# Allegro board 038RT-9068CJK8E-A100_0921_1.brd (continued)
## Routing (per net, layer and track width the routed paths; a pad name or vN(x,y) marks a point on that pad's centre or on a via; arc(x,y) is an arc through that point) (continued)
SLOT1.CH108: length 94.9
  L21_SIGNAL w0.102: 395.56,198.31 395.56,204.04 396.54,205.02 400.1,205.02 v1(400.5,204.62)
  L21_SIGNAL w0.105: 395.56,198.31 395.56,176.03 404.21,167.39 404.21,128.66 407.03,125.84 SLOT1-DOWN.E17
SLOT1.CH109: length 107.7
  L21_SIGNAL w0.105: SLOT1-DOWN.D16 416.95,121.84 423.59,121.84 425.61,123.86 425.61,126.82 427.57,128.78 427.57,162.55 427.89,162.86 427.89,209.23 428.33,209.68 428.99,209.68 433.56,214.25 433.56,215.7 v2(434.72,216.86)
SLOT1.CH110: length 105.5
  L21_SIGNAL w0.102: 395.18,193.89 391.13,197.94 391.13,203.44 392.68,204.99 394.93,204.99 395.76,205.82 403.3,205.82 v1(403.7,205.42)
  L21_SIGNAL w0.105: 395.18,193.89 395.18,175.28 403.4,167.06 403.4,126.65 407.22,122.84 SLOT1-DOWN.F16
SLOT1.CH111: length 110
  L21_SIGNAL w0.102: v1(403.7,206.22) 403.3,206.62 392.61,206.62 390.69,204.7 390.69,197.45 393.89,194.25
  L21_SIGNAL w0.105: SLOT1-DOWN.E15 407.09,121.84 402.6,126.32 402.6,166.72 393.89,175.44 393.89,194.25
SLOT1.CH112: length 99.1
  L21_SIGNAL w0.105: SLOT1-DOWN.D14 417.12,119.55 424.93,119.55 429.45,124.07 429.45,153.82 431.38,155.75 431.38,205.74 v1(430.59,206.53)
SLOT1.CH113: length 118.8
  L21_SIGNAL w0.102: v1(403.7,207.02) 403.3,207.42 392.07,207.42 389.1,204.44 389.1,198.62 384.37,193.89 384.37,182.11 401.8,164.68
  L21_SIGNAL w0.105: 401.8,164.68 401.8,122.08 405.04,118.84 SLOT1-DOWN.F14
SLOT1.CH115: length 135
  L21_SIGNAL w0.105: v1(438.98,226.73) 438.01,225.76 438.01,210.18 440.29,207.89 440.29,202.78 443.18,199.89 443.18,188.84 439.14,184.8 439.14,159.69 432.56,153.11 432.56,116.92 430.08,114.43 426.27,114.43 425.5,113.66 417.13,113.66 SLOT1-DOWN.D12
  BOTTOM w0.115: v1(438.98,226.73) UNK1RR535.2
SLOT1.CH116: length 138.3
  L21_SIGNAL w0.102: 405.3,213.84 v1(405.3,213.42)
  L21_SIGNAL w0.105: 405.3,213.84 405.3,213.86 404.81,214.35 385.57,214.35 382.69,211.47 382.69,183.77 382.01,183.1 382.01,181.57 400.63,162.95 400.63,120.11 405.9,114.84 SLOT1-DOWN.F12
  BOTTOM w0.115: UNK1R110.1 v1(405.3,213.42)
SLOT1.CH117: length 132.1
  L21_SIGNAL w0.105: SLOT1-DOWN.E11 405.97,113.84 400.06,119.75 400.06,161.99 373.11,188.94 373.11,197.99 375.27,200.15 375.27,215.26 373.62,216.92 373.62,220.96 371.95,222.63
SLOT1.CH118: length 375
  L34_SIGNAL w0.105: SLOT1-DOWN.D10 417.07,109.73 425.43,109.73 433.31,101.84 437.34,101.84 438.25,102.76 438.87,102.76 439.98,101.65 447.87,101.65 455.36,109.14 455.36,158.92 471.66,175.23 471.66,181.99 478.52,188.85 478.52,287.65 472.17,294 350.28,294 v1(343.73,287.46)
SLOT1.CH119: length 315.4
  L32_SIGNAL w0.105: v1(343.73,227.46) 348.43,232.16 467.98,232.16 471.66,228.47 471.66,219.2 471.03,218.57 471.03,196.34 470.14,195.45 470.14,189.98 455.94,175.79 455.94,107.72 447.91,99.69 440.49,99.69 439.73,98.93 437.98,98.93 437,99.92 425.59,99.92 423.4,102.11 423.4,108.71 422.39,109.73 415.53,109.73 414.42,110.84 SLOT1-DOWN.F10
SLOT1.CH120: length 353.7
  L34_SIGNAL w0.105: SLOT1-DOWN.E9 407.04,109.84 399.78,117.09 399.78,141.22 388.35,152.65 289.8,152.65 273.8,168.66 228.33,168.66 212.33,184.66 212.33,212.22 217.28,217.17 217.28,281 v1(223.73,287.46)
SLOT1.CH121: length 299.9
  L32_SIGNAL w0.105: SLOT1-DOWN.F8 398,120.52 398,143.35 379.05,162.31 221.98,162.31 212.33,171.96 212.33,216.05 v1(223.73,227.46)
SLOT1.CH122: length 136.2
  L21_SIGNAL w0.105: SLOT1-DOWN.E7 411.14,105.84 410.54,105.23 406.55,105.23 399.5,112.28 399.5,160.66 369.05,191.11 369.05,204.47 371.95,207.38 UNK1K11.3
SLOT1.CH123: length 145.5
  L21_SIGNAL w0.105: SLOT1-DOWN.F6 409.89,104.64 406.3,104.64 398.9,112.03 398.9,160.17 366.38,192.7 366.38,211.45 370.7,215.77 370.7,223.92 UNK1K223.3
SLOT1.CH124: length 350.6
  L44_SIGNAL w0.105: K7.10 149.34,24.72 149.34,55.37 157.34,63.37 406.87,63.37 424.35,80.85 424.35,99.89 422.4,101.84 SLOT1-DOWN.E5
SLOT1.CH125: length 157.9
  L21_SIGNAL w0.105: v1(343.73,206.2) 343.14,205.6 343.14,177.26 348.87,171.53 384.67,171.53 397.76,158.44 397.76,111.21 407.72,101.24 409.28,101.24 SLOT1-DOWN.F4
SLOT1.CH126: length 429.6
  L44_SIGNAL w0.105: SLOT1-DOWN.E3 410.72,97.84 408.31,100.25 408.31,155.79 391.43,172.67 202.98,172.67 181.72,193.93 137.02,193.93 135.11,195.83 135.11,222.63 133.46,224.28 133.46,240.54 131.68,242.32 107.81,242.32 106.54,241.05 106.54,238.75 v2(105.9,238.11)
  BOTTOM w0.115: UNK2R348.2 v2(105.9,238.11)
SLOT1.CH127: length 616.8
  L44_SIGNAL w0.105: SLOT1-DOWN.F2 406.13,100.39 406.13,154.36 393.35,167.14 297.64,167.14 296.93,167.85 296.93,169.7 297.34,170.11 390.78,170.11 391.28,170.61 391.28,171.35 390.6,172.03 202.9,172.03 181.51,193.42 136.81,193.42 134.6,195.62 134.6,222.42 132.95,224.07 132.95,240.33 131.47,241.81 108.44,241.81 107.81,241.17 107.81,238.75 v2(107.17,238.11)
  BOTTOM w0.115: UNK2R347.2 v2(107.17,238.11)
SLOT1.DGS0: length 0.5
  TOP w0.254: SLOT1-DOWN.B26 420.18,142.62 UNK1STB00.1
SLOT1.DGS64: length 0.5
  TOP w0.254: SLOT1-UP.B5 420.18,334.55 UNK1STB64.1
SLOT1.UB0: length 1165.4
  L24_RLY w0.203: SLOT1-DOWN.A1 422.18,90.37 427.47,85.09 516.98,85.09 543.42,111.52 543.42,168.28 535.8,175.89 535.8,193.04 537.38,194.62 UNK1K228.8 535.67,196.65 535.67,216.41 538.72,219.46 538.72,226.82 535.92,229.62 535.92,233.8 UNK3K228.8 ; K228.8 151.88,238.53 151.88,242.65 154.62,245.39 154.62,269.72 156.19,271.29 156.19,278.88 157.21,279.91 164.05,279.91 UNK2K228.8
  L38_SIGNAL w0.203: UNK3K228.8 538.7,233.93 550.4,233.93 551.16,233.17 551.16,230.38 552.94,228.6 553.96,228.6 558.53,224.03 569.71,224.03 571.74,222 571.74,176.17 568.93,173.35 532.62,173.35 515.68,156.41 515.68,86.56 506.34,77.22 188.86,77.22 174.62,91.46 174.62,156.71 158.13,173.19 127.44,173.19 120.33,180.31 120.33,234.31 123.1,237.08 123.1,242.04 124.09,243.03 124.09,251.1 125.71,252.73 140.7,252.73 145.78,257.81 145.78,267.46 147.56,269.24 162.85,269.24 163.05,269.44 163.05,278.91 UNK2K228.8
SLOT1.UB1: length 1223.5
  L24_RLY w0.203: UNK1K124.8 528.46,223.89 528.46,245.8 528.81,246.15 528.81,271.92 UNK3K124.8 ; K124.8 163.26,226.28 163.26,273.29 UNK2K124.8
  L36_SIGNAL w0.203: SLOT1-DOWN.B2 421.28,93.52 421.28,91.23 414.24,84.2 381.99,84.2 373.82,92.37 373.82,147.31 369.74,151.39 317.21,151.39 314.24,148.43 314.24,82.94 304.93,73.63 195.46,73.63 179.52,89.57 179.52,145.41 174.48,150.45 174.48,205.74 165.2,215.03 165.2,223.3 K124.8
  L38_SIGNAL w0.203: UNK3K124.8 525.06,277.62 525.06,293.16 521.31,296.91 521.31,376.96 495.05,403.23 185.91,403.23 175.12,392.43 175.12,303.91 162.04,290.83 162.04,277.68 UNK2K124.8
SLOT1.UB2: length 1150.7
  L24_RLY w0.203: UNK3K227.8 551.42,234.05 551.42,212.6 552.18,211.84 552.18,204.98 549.13,201.93 546.59,201.93 544.69,200.03 544.69,193.04 541.51,189.87 538.66,189.87 UNK1K227.8 538.97,186.99 538.97,175.89 544.69,170.18 544.69,111 517.51,83.82 425.69,83.82 418.18,91.33 SLOT1-DOWN.C1 ; K227.8 137.98,237.23 139,238.25 139,240.97 145.06,247.03 145.06,273.81 151.71,280.46 UNK2K227.8
  L38_SIGNAL w0.203: UNK2K227.8 150.21,282.81 145.02,277.62 145.02,258.06 140.95,254 124.95,254 122.18,251.23 122.18,242.82 120.48,241.12 120.48,235.84 119.44,234.8 119.44,179.94 127.07,172.3 157.75,172.3 173.83,156.22 173.83,91.13 188.54,76.43 507.46,76.43 516.95,85.92 516.95,156.41 532.62,172.08 569.45,172.08 572.5,175.13 572.5,228.35 570.06,230.78 555.08,230.78 554.21,231.65 554.21,233.66 UNK3K227.8
SLOT1.UB3: length 1216.4
  L24_RLY w0.203: UNK1K232.8 512.23,230.57 512.23,236.63 514.89,239.29 514.89,258.83 516.09,260.02 516.09,270.84 UNK3K232.8 ; UNK2K232.8 174.99,262.46 174.99,240.11 175.5,239.6 176.18,239.6 176.39,239.4 176.39,220.04 176.87,219.56 K232.8
  L36_SIGNAL w0.203: K232.8 180.16,217.9 180.16,208.24 176.39,204.47 176.39,151.47 181.81,146.05 181.81,89.83 196.66,74.97 304.38,74.97 312.9,83.5 312.9,148.98 316.65,152.73 370.3,152.73 375.16,147.86 375.16,92.92 382.54,85.54 414.01,85.54 419.23,90.76 419.23,95.57 SLOT1-DOWN.C3
  L38_SIGNAL w0.203: UNK2K232.8 174.97,264.92 167.88,264.92 165.85,266.95 165.85,278.13 168.13,280.42 168.13,294.64 176.39,302.89 176.39,391.79 186.55,401.96 494.13,401.96 519.68,376.41 519.68,281.36 515.62,277.31 515.62,274.49 UNK3K232.8
SLOT1.UB4: length 473.5
  L24_RLY w0.203: UNK1K34.8 429.28,213.01 430.39,214.12 430.39,220.57 430.72,220.9 430.72,258.09 429.96,258.85 429.96,270.95 UNK3K34.8 ; K34.8 309.28,211.64 308.11,212.8 308.11,270.47 UNK2K34.8
  L36_SIGNAL w0.203: K34.8 309.79,211.12 309.79,197.98 310.3,197.47 310.3,180.3 319.82,170.79 365.82,170.79 395.64,140.97 395.64,95.46 401.94,89.15 414,89.15 416.18,91.33 SLOT1-DOWN.D1
  L38_SIGNAL w0.203: UNK3K34.8 425.47,275.44 417.36,275.44 411.51,281.28 405.34,281.28 398.13,288.49 380.81,288.49 375.96,293.34 355.24,293.34 351.4,289.5 313.61,289.5 307.81,283.69 307.81,273.1 UNK2K34.8
SLOT1.UB5: length 1211.4
  L24_RLY w0.203: UNK1K233.8 511.49,225.1 511.49,237.77 513.67,239.95 513.67,258.55 515.27,260.15 515.27,265.44 UNK3K233.8 ; UNK2K233.8 177.28,268.82 177.28,259.66 176.97,259.36 176.21,259.36 176.01,259.16 176.01,255.63 177.56,254.08 177.56,240.11 177.12,239.67 177.12,225.96 177.32,225.76 K233.8
  L36_SIGNAL w0.203: SLOT1-DOWN.D2 417.26,93.54 417.26,90.21 414.45,87.4 383.32,87.4 377.02,93.7 377.02,148.64 371.07,154.59 315.88,154.59 311.04,149.75 311.04,84.27 303.61,76.84 197.34,76.84 182.95,91.22 182.95,146.69 177.66,151.98 177.66,203.84 181.06,207.24 181.06,223.2 K233.8
  L38_SIGNAL w0.203: UNK2K233.8 174.83,271.27 167.88,271.27 166.86,272.29 166.86,277.88 168.89,279.91 168.89,292.86 177.66,301.62 177.66,391.16 187.18,400.69 493.34,400.69 517.35,376.67 517.35,281.56 511.79,276 511.79,268.92 UNK3K233.8
SLOT1.UB6: length 517.5
  L24_RLY w0.203: UNK1K140.8 355.4,215.62 356.88,217.1 356.88,263.27 354.29,265.86 354.29,272.2 UNK3K140.8 ; K140.8 237.98,215.89 237.98,226.82 237.21,227.6 237.21,241.82 238.2,242.82 238.2,251 236.79,252.42 236.79,271.92 UNK2K140.8
  L36_SIGNAL w0.203: SLOT1-DOWN.D3 415.14,95.57 415.14,92.71 412.92,90.48 402.49,90.48 396.96,96.01 396.96,141.25 351.9,186.31 351.9,198.49 353.86,200.45 353.86,211.77 UNK1K140.8
  L38_SIGNAL w0.203: K140.8 234.15,212.06 226.97,212.06 226.54,212.49 226.54,228.18 231.32,232.95 304.21,232.95 315.82,221.34 315.82,185.67 322.44,179.04 342.71,179.04 359.22,195.55 359.22,209.49 UNK1K140.8
SLOT1.UB7: length 509.4
  L24_RLY w0.203: K64.8 234.38,206.2 234.07,206.5 234.07,214.38 236.97,217.27 236.97,225.81 236.43,226.34 236.43,242.6 237.5,243.66 237.5,250.63 235.54,252.58 235.54,261.54 235.24,261.85 234.6,261.85 234.2,262.25 234.2,265 UNK2K64.8 ; UNK3K64.8 355.91,266.2 358,264.11 358,216.33 357.23,215.56 357.23,208.03 UNK1K64.8
  L36_SIGNAL w0.203: SLOT1-DOWN.D4 414.26,96.69 414.26,92.96 412.74,91.44 402.89,91.44 397.92,96.4 397.92,141.65 352.86,186.71 352.86,195.96 357.01,200.11 357.01,204.59 UNK1K64.8
  L38_SIGNAL w0.203: UNK1K64.8 357.67,203.93 357.67,196.19 341.61,180.14 323.13,180.14 318.56,184.71 318.56,219.86 304.72,233.69 230.12,233.69 225.79,229.36 225.79,209.42 227.17,208.04 234.32,208.04 235.14,207.22 235.14,206.45 K64.8
SLOT1.UB12: length 1101.6
  L15_SIGNAL w0.203: UNK1K212.8 373.31,52.01 367.87,52.01 366.76,50.91 366.76,20.7 361.43,15.37 279.51,15.37 273.92,20.96 258.43,20.96 256.38,23.01 241.26,23.01 234.2,15.94 203.03,15.94 186.74,32.23 177.73,32.23 176.74,33.23 176.74,40.72 175.62,41.83 175.62,43.49 176.52,44.39 184.15,44.39 188.67,48.91 191.07,48.91 K212.8
  L24_RLY w0.203: UNK1K212.8 376.67,52.05 376.67,61.21 378.78,63.33 378.78,166.56 363.2,182.14 363.2,314.61 357.21,320.61 357.21,404.52 347.1,414.63 323.73,414.63 321.88,416.49 321.88,426.01 320.91,426.97 315.4,426.97 UNK2K212.8
  L36_SIGNAL w0.203: SLOT1-UP.D1 412.82,323.18 409.77,323.18 402.08,330.87 402.08,391.24 394.04,399.28 328.16,399.28 315.55,411.89 315.55,424 UNK2K212.8
  L44_SIGNAL w0.203: UNK3K212.8 490.14,423.93 488.23,423.93 487.12,422.82 487.12,419.07 483.02,414.97 444.82,414.97 441.54,418.25 441.54,425.38 437.33,429.59 425.02,429.59 423.15,427.71 423.15,417.96 420.86,415.67 361.3,415.67 355.95,421.02 355.95,424.07 354.57,425.44 333.29,425.44 330.5,422.66 321.61,422.66 320.21,424.07 315.49,424.07 UNK2K212.8
SLOT1.UB13: length 1061.1
  L15_SIGNAL w0.203: UNK1K211.8 367.41,49 367.41,20.08 362.06,14.73 278.62,14.73 273.16,20.19 258.05,20.19 256.02,22.22 241.5,22.22 234.6,15.33 202.42,15.33 199.58,18.17 199.58,18.29 199.23,18.64 199.11,18.64 186.03,31.72 175.43,31.72 174.66,32.5 174.66,43.48 176.3,45.12 183.32,45.12 186.31,48.11 K211.8
  L24_RLY w0.203: UNK2K211.8 318.82,424.18 318.82,403.32 328.15,393.99 328.15,300 333.1,295.05 333.1,181.98 350.83,164.24 350.83,85.9 367.27,69.47 367.27,51.85 UNK1K211.8
  L36_SIGNAL w0.203: SLOT1-UP.E1 413.42,326.43 411.64,324.65 410.52,324.65 403.63,331.55 403.63,394.29 395.94,401.98 329.28,401.98 321.57,409.68 321.57,424.19 UNK2K211.8
  L44_SIGNAL w0.203: UNK2K211.8 322.42,423.34 330.48,423.34 333.46,426.33 354.58,426.33 356.47,424.44 356.47,421.39 361.55,416.31 420.35,416.31 422.39,418.34 422.39,428.3 424.62,430.53 437.63,430.53 442.49,425.66 442.49,419.47 446.24,415.73 482.26,415.73 486.05,419.52 486.05,425.71 487.72,427.38 496.16,427.38 UNK3K211.8
SLOT1.UB14: length 1075.1
  L15_SIGNAL w0.203: UNK1K4.12 358.38,42.28 358.38,32.38 359.77,30.99 359.77,22.1 357.11,19.43 277.61,19.43 275.32,21.72 259.44,21.72 257.35,23.81 240.84,23.81 234.04,17.02 204.34,17.02 185.91,35.44 180.37,35.44 179.4,36.4 178.34,36.4 177.71,37.03 177.71,41.77 K4.12
  L24_RLY w0.203: UNK1K4.12 360.33,44.76 360.33,53.21 356.98,56.57 356.98,64.39 349.16,72.21 344.53,72.21 334.87,81.88 334.87,168.4 321.62,181.64 321.62,208.6 322.74,209.72 322.74,215.8 321.54,217.01 321.54,268.15 322.87,269.49 322.87,274.37 321.87,275.37 321.87,390.26 305.37,406.76 305.37,427.06 310.37,432.05 326.73,432.05 UNK2K4.12
  L36_SIGNAL w0.203: UNK2K4.12 327.76,433.08 324.48,433.08 323.07,431.67 323.07,410.54 329.24,404.37 397.54,404.37 406.02,395.89 406.02,332.43 SLOT1-UP.F1
  L44_SIGNAL w0.203: UNK3K4.12 505.15,432.69 499.35,432.69 496.93,430.28 488.55,430.28 484.87,426.59 484.87,420.24 481.19,416.56 447.28,416.56 443.59,420.24 443.59,425.83 438.01,431.42 423.91,431.42 420.99,428.5 420.99,418.47 419.59,417.07 362.31,417.07 357.36,422.02 357.36,429.64 354.82,432.18 332.29,432.18 UNK2K4.12
SLOT1.UB15: length 1090.6
  L24_RLY w0.203: UNK3K5.12 374.41,434.09 372.15,436.34 318.99,436.34 317.07,434.42 295.35,434.42 293.59,432.66 293.59,409.38 305.52,397.45 305.52,306.8 309.28,303.04 309.28,280.82 310.58,279.53 310.58,271.02 309.91,270.36 309.91,258.39 310.85,257.45 310.85,220.73 310.42,220.29 310.42,210.9 309.74,210.21 309.74,198.63 311.64,196.72 311.64,87.38 307.35,83.08 307.35,45.52 K5.12
  L36_SIGNAL w0.203: UNK3K5.12 371.84,427.71 371.84,414.1 377.37,408.56 397.54,408.56 408.52,397.58 408.52,333.94 SLOT1-UP.F3
  L40_SIGNAL w0.203: K5.12 311.51,45.87 311.51,58.17 314.69,61.34 421.88,61.34 424.8,58.42 424.8,50.93 429.37,46.35 441.31,46.35 444.1,49.15 444.1,62.36 445.37,63.63 490.71,63.63 492.62,61.72 492.62,47.12 494.85,44.88 UNK1K5.12
  L44_SIGNAL w0.203: UNK2K5.12 198.87,429.05 198.87,417.96 201.53,415.29 242.55,415.29 244.71,417.45 244.71,427.74 246.87,429.89 262.37,429.89 265.16,427.1 265.16,417.96 266.68,416.43 305.67,416.43 306.18,416.94 306.18,427.61 309.23,430.66 319.9,430.66 321.55,432.31 321.55,434.47 323.33,436.25 330.06,436.25 333.1,433.2 356.09,433.2 356.85,432.44 372.25,432.44 UNK3K5.12
SLOT2.CH0: length 195.8
  L44_SIGNAL w0.105: SLOT2-UP.B27 255.77,396.36 248.27,403.86 169.66,403.86 160,413.51 160,437.26 157.84,439.42 112.78,439.42 v2(110.52,437.16)
SLOT2.CH1: length 484
  TOP w0.115: UNK2HOST2.27 223.85,443.12 223.61,443.35 223.61,446.89 v2(221.39,449.12) v2(221.39,451.66)
  L19_SIGNAL w0.105: v2(221.39,451.66) 220.68,452.37 220.68,455.07 208.3,467.45 66.18,467.45 64.23,465.5 64.23,403.7 50.35,389.82 50.35,381.33 53.4,378.29 68.27,378.29 70.17,380.19 191.02,380.19 194.3,383.46 253.8,383.46 256.8,380.46 256.8,377.51 SLOT2-UP.A26
SLOT2.CH2: length 179.2
  L21_SIGNAL w0.105: SLOT2-UP.C26 252.71,377.59 252.71,379.6 246.62,385.7 246.62,395.1 229.47,412.24 122.79,412.24 115.05,419.99 115.05,431.58 S2_TAPSL0.2
  BOTTOM w0.115: UNK2RD79.2 S2_TAPSL0.2
SLOT2.CH3: length 493.3
  TOP w0.115: v2(222.91,451.66) v2(222.91,449.12) 224.89,447.14 224.89,443.15 224.25,442.51 UNK2HOST2.26
  L19_SIGNAL w0.105: SLOT2-UP.B25 254.8,375.51 254.8,379.69 251.83,382.66 195.59,382.66 187.75,374.82 51.7,374.82 49.1,377.42 49.1,389.67 62.28,402.85 62.28,465.15 65.68,468.54 208.8,468.54 222.22,455.12 222.22,452.35 v2(222.91,451.66)
SLOT2.CH4: length 188
  L21_SIGNAL w0.105: v2(313.76,261.45) 315.08,262.76 317.23,262.76 319.77,265.3 319.77,275.72 319.26,276.23 319.26,318.52 303.77,334.01 303.77,377.95 291.96,389.76 269.73,389.76 262.24,382.27 262.24,377.01 SLOT2-UP.A24
SLOT2.CH5: length 570.8
  TOP w0.115: UNK2HOST1.27 285.86,443.12 285.62,443.35 285.62,446.89 v2(283.4,449.12) v2(283.4,451.66)
  L19_SIGNAL w0.105: SLOT2-UP.C24 252.7,373.61 252.7,379.19 250.01,381.89 196.32,381.89 181.81,367.38 51.47,367.38 47.53,371.33 47.53,404.62 49.98,407.07 56.17,407.07 59.81,410.71 59.81,465.92 63.83,469.94 266.93,469.94 282.65,454.22 282.65,452.41 v2(283.4,451.66)
SLOT2.CH6: length 388.9
  L34_SIGNAL w0.105: SLOT2-UP.B23 256.61,369.7 258.43,369.7 259.83,371.09 259.83,377.59 266.7,384.47 471.22,384.47 480.29,375.39 480.29,304.75 493.51,291.54 493.51,260.22 490.11,256.82 UNK1K180.4
SLOT2.CH7: length 333.8
  L32_SIGNAL w0.105: UNK3K180.4 490.11,316.2 483.22,323.09 483.22,370.59 472.17,381.64 269.24,381.64 267.11,379.51 267.11,377.88 SLOT2-UP.A22
SLOT2.CH8: length 198.4
  L34_SIGNAL w0.105: K180.4 199.5,219.27 199.5,256.67 197.85,258.32 197.85,311.15 200.9,314.2 225.15,314.2 235.31,324.36 235.31,361.95 238.62,365.25 245.86,365.25 246.36,365.76 247.76,365.76 248.9,366.9 250.68,366.9 251.44,367.66 252.89,367.66 SLOT2-UP.C22
SLOT2.CH9: length 158.9
  L32_SIGNAL w0.105: SLOT2-UP.B21 254.86,365.63 251.19,365.63 250.43,364.87 248.65,364.87 247.63,363.86 246.49,363.86 245.73,364.62 236.84,364.62 235.82,363.6 235.82,324.49 232.14,320.8 203.06,320.8 197.47,315.21 197.47,263.14 UNK2K180.4
SLOT2.CH10: length 179.2
  L21_SIGNAL w0.105: SLOT2-UP.A20 264.78,371.55 264.78,381 272.08,388.3 290.5,388.3 300.97,377.82 300.97,333.12 317.99,316.1 317.99,270.12 v1(316.94,269.07)
SLOT2.CH11: length 192.3
  L21_SIGNAL w0.105: v2(313.76,263.99) 314.07,263.99 314.97,264.89 316.06,264.89 318.37,267.21 318.37,317.63 302.5,333.5 302.5,377.95 291.45,389 270.75,389 263,381.25 263,372.49 257.92,367.41 257.29,367.41 256.78,366.9 256.78,366.14 256.02,365.38 254.6,365.38 SLOT2-UP.C20
SLOT2.CH12: length 169.3
  L21_SIGNAL w0.105: SLOT2-UP.B19 256.57,363.35 258.81,363.35 267.19,371.73 267.19,379.86 273.8,386.46 289.42,386.46 298.56,377.32 298.56,331.6 315.83,314.32 315.83,277.97 v2(314.72,276.86)
SLOT2.CH13: length 168.6
  L21_SIGNAL w0.105: SLOT2-UP.A18 259.43,360.54 269.35,370.46 269.35,378.84 275.19,384.68 288.42,384.68 296.15,376.95 296.15,329.7 311.01,314.84 311.01,273.1 UNK2K34.7
SLOT2.CH14: length 171.6
  L21_SIGNAL w0.105: UNK2K34.2 314.05,276.41 314.05,314.2 297.42,330.83 297.42,376.94 288.78,385.57 275.19,385.57 268.72,379.1 268.72,371.73 258.56,361.57 254.79,361.57 SLOT2-UP.C18
SLOT2.CH15: length 174
  L21_SIGNAL w0.105: v1(310.59,266.53) 308.21,268.9 308.21,313.68 293.99,327.91 293.99,375.92 287.13,382.78 275.32,382.78 270.75,378.21 270.75,367.92 260.59,357.76 256.55,357.76 SLOT2-UP.B17
SLOT2.CH16: length 124.5
  L21_SIGNAL w0.102: v1(280.5,263.82) 280.1,264.22 277.92,264.22 276.14,262.44
  L21_SIGNAL w0.105: SLOT2-UP.A16 258.1,356.87 259.44,356.87 263.13,353.19 263.13,290.96 258.43,286.26 258.43,276.61 257.92,276.1 257.92,262.38 259.19,261.11 274.81,261.11 276.14,262.44
SLOT2.CH17: length 123.7
  L21_SIGNAL w0.102: 276.81,264.76 277.07,265.02 280.1,265.02 v1(280.5,264.62)
  L21_SIGNAL w0.105: 276.81,264.76 274.81,262.76 262.87,262.76 260.08,265.56 260.08,287.02 263.51,290.45 263.51,353.69 259.95,357.25 254.48,357.25 SLOT2-UP.C16
SLOT2.CH18: length 86.3
  L21_SIGNAL w0.105: UNK2K11.3 253.86,279.46 253.86,289.81 262.37,298.32 262.37,351.79 260.33,353.82 256.49,353.82 SLOT2-UP.B15
SLOT2.CH19: length 74.9
  L21_SIGNAL w0.105: SLOT2-UP.A14 259.2,352.54 261.6,350.14 261.6,302.51 250.68,291.59 250.68,286.44 UNK2K223.3
SLOT2.CH20: length 82.1
  L21_SIGNAL w0.105: UNK2K11.10 253.09,283.77 253.09,289.81 261.98,298.7 261.98,351.15 259.83,353.31 254.54,353.31 SLOT2-UP.C14
SLOT2.CH21: length 122.5
  L21_SIGNAL w0.105: v1(223.73,266.2) 220.58,269.35 220.58,302.06 223.32,304.8 252.22,304.8 260.84,313.42 260.84,347.35 258.68,349.5 256.8,349.5 SLOT2-UP.B13
SLOT2.CH22: length 377.3
  L34_SIGNAL w0.105: v1(430.59,198.91) 432.45,197.05 436.84,197.05 440.2,200.4 440.2,213.01 441.59,214.4 441.59,227.64 430.98,238.25 361.04,238.25 351.52,247.78 351.52,257.43 347.96,260.99 341.49,260.99 333.99,268.48 333.99,326.39 330.18,330.2 330.18,372.79 321.85,381.13 269.32,381.13 263.07,374.87 263.07,353.84 SLOT2-UP.A12
SLOT2.CH23: length 340.6
  L32_SIGNAL w0.105: v1(430.59,258.91) 432.45,257.05 437.5,257.05 445.37,264.92 445.37,288.13 434.43,299.08 434.43,377.84 432.45,379.82 271.94,379.82 264.91,372.79 264.91,355.85 258.56,349.5 254.73,349.5 SLOT2-UP.C12
SLOT2.CH24: length 228.5
  L34_SIGNAL w0.105: v1(310.59,198.91) 307.9,196.22 278.49,196.22 275.17,199.54 243.95,199.54 239.78,203.71 239.78,256.42 243.42,260.06 243.42,306.75 259.95,323.28 259.95,341.82 258.3,343.48 257.31,343.48 256.6,344.18 256.6,345.71 SLOT2-UP.B11
SLOT2.CH25: length 125.1
  L32_SIGNAL w0.105: SLOT2-UP.A10 260.21,342.1 260.21,310.26 269.6,300.86 299.7,300.86 307.83,292.74 307.83,261.66 v1(310.59,258.91)
SLOT2.CH26: length 124.4
  L21_SIGNAL w0.105: SLOT2-UP.C10 254.67,345.44 258.43,345.44 260.46,343.41 260.46,314.66 251.75,305.94 222.49,305.94 219.19,302.64 219.19,267.55 v1(223.73,263)
SLOT2.CH27: length 141.3
  L21_SIGNAL w0.105: SLOT2-UP.B9 256.63,343.41 259.19,343.41 260.08,342.52 260.08,315.71 251.32,306.96 187.18,306.96 183.24,303.02 183.24,277.22 UNK2K183.5
SLOT2.CH28: length 161
  L21_SIGNAL w0.105: SLOT2-UP.A8 258.5,340.54 259.32,339.73 259.32,317.47 250.59,308.74 174.48,308.74 168.26,302.51 168.26,280.92 167.5,280.16 167.5,264.79 UNK2K232.5
SLOT2.CH29: length 163.4
  L21_SIGNAL w0.105: UNK2K233.4 169.78,267.86 169.78,280.92 169.02,281.69 169.02,301.62 175.24,307.85 250.96,307.85 259.7,316.59 259.7,340.74 258.94,341.5 254.73,341.5 SLOT2-UP.C8
SLOT2.CH30: length 370.9
  L11_SIGNAL w0.102: 277.68,262.62 280.1,262.62 v1(280.5,263.02)
  L11_SIGNAL w0.105: 277.68,262.62 277.26,262.62 274.77,260.13 244.81,260.13 242.27,257.58 192.27,257.58 183.81,249.12 172.5,249.12 170.78,247.4 135.3,247.4 v2(131.24,243.34)
  L21_SIGNAL w0.105: v2(131.24,243.34) 133.13,245.24 133.13,297.05 145.58,309.5 250.27,309.5 258.94,318.16 258.94,338.71 258.17,339.47 256.7,339.47 SLOT2-UP.B7
SLOT2.CH31: length 363.7
  L11_SIGNAL w0.102: 277.68,263.42 280.9,263.42 v1(281.3,263.02)
  L11_SIGNAL w0.105: 277.68,263.42 276.93,263.42 274.44,260.93 244.48,260.93 241.93,258.38 192.02,258.38 183.39,249.75 169.89,249.75 168.29,248.15 134.53,248.15 v2(131.24,244.86)
  L21_SIGNAL w0.105: v2(131.24,244.86) 132.83,246.45 132.83,297.18 145.78,310.13 250.01,310.13 258.56,318.68 258.56,335.75 SLOT2-UP.A6
SLOT2.CH32: length 91.9
  L19_SIGNAL w0.102: v1(282.9,204.62) 282.5,205.02 282.5,205.72 282.4,205.82 275.87,205.82 275.19,206.5 264.65,206.5 262.24,204.09 262.24,160.5 259.5,157.76 259.5,140.77 258.43,139.7 256.86,139.7 SLOT2-DOWN.B24
SLOT2.CH33: length 83.7
  L19_SIGNAL w0.102: v1(281.3,203.82) 280.9,204.22 276.81,204.22
  L19_SIGNAL w0.105: SLOT2-DOWN.A23 259.02,136.61 261.1,138.68 261.1,157.1 264.65,160.66 264.65,196.85 272.02,204.22 276.81,204.22
SLOT2.CH34: length 91.4
  L19_SIGNAL w0.102: v1(281.3,204.62) 280.9,205.02 276.81,205.02
  L19_SIGNAL w0.105: SLOT2-DOWN.C23 254.7,137.54 258.56,137.54 260.3,139.28 260.3,157.43 263.64,160.77 263.64,203.07 265.03,204.47 266.56,204.47 267.11,205.02 276.81,205.02
SLOT2.CH35: length 84.6
  L19_SIGNAL w0.102: 282.5,199.33 282.5,203.42 v1(282.9,203.82)
  L19_SIGNAL w0.105: SLOT2-DOWN.B22 256.79,135.64 259.32,135.64 261.95,138.26 261.95,155.79 272.11,165.95 272.11,183.21 276,187.11 280.58,187.11 282.5,189.03 282.5,199.33
SLOT2.CH36: length 168.2
  L21_SIGNAL w0.105: SLOT2-DOWN.A21 256.8,133.57 256.8,152.4 237.05,172.15 204.71,172.15 200.26,176.59 200.26,185.53 192.31,193.48 184.83,193.48 180.7,197.61 180.7,232.92 183.63,235.84 183.63,236.85 K8.5
  BOTTOM w0.115: CD175.1 K8.5
SLOT2.CH37: length 88.7
  L19_SIGNAL w0.102: v1(283.7,203.82) 283.3,203.42 283.3,199.33
  L19_SIGNAL w0.105: 283.3,199.33 283.3,188.7 280.91,186.31 276.34,186.31 272.91,182.88 272.91,164.85 262.75,154.69 262.75,137.41 259.19,133.86 255.01,133.86 SLOT2-DOWN.C21
SLOT2.CH38: length 463.4
  L34_SIGNAL w0.105: SLOT2-DOWN.B20 256.71,129.67 258.05,129.67 259.44,128.27 259.44,101.72 272.07,89.1 496.53,89.1 511.55,104.13 511.55,237.75 519.79,245.99 519.79,258.44 518.4,259.84 518.4,264.67 518.91,265.18 520.11,265.18 UNK3K233.5
SLOT2.CH39: length 420.1
  L32_SIGNAL w0.105: SLOT2-DOWN.A19 261.6,124.77 261.6,99.43 273.16,87.88 501.59,87.88 517.07,103.36 517.07,181.9 519.41,184.24 519.41,211.45 518.4,212.47 518.4,220.6 518.91,221.11 520.17,221.11 UNK1K233.5